# KiCad board frothfet.kicad_pcb (continued)
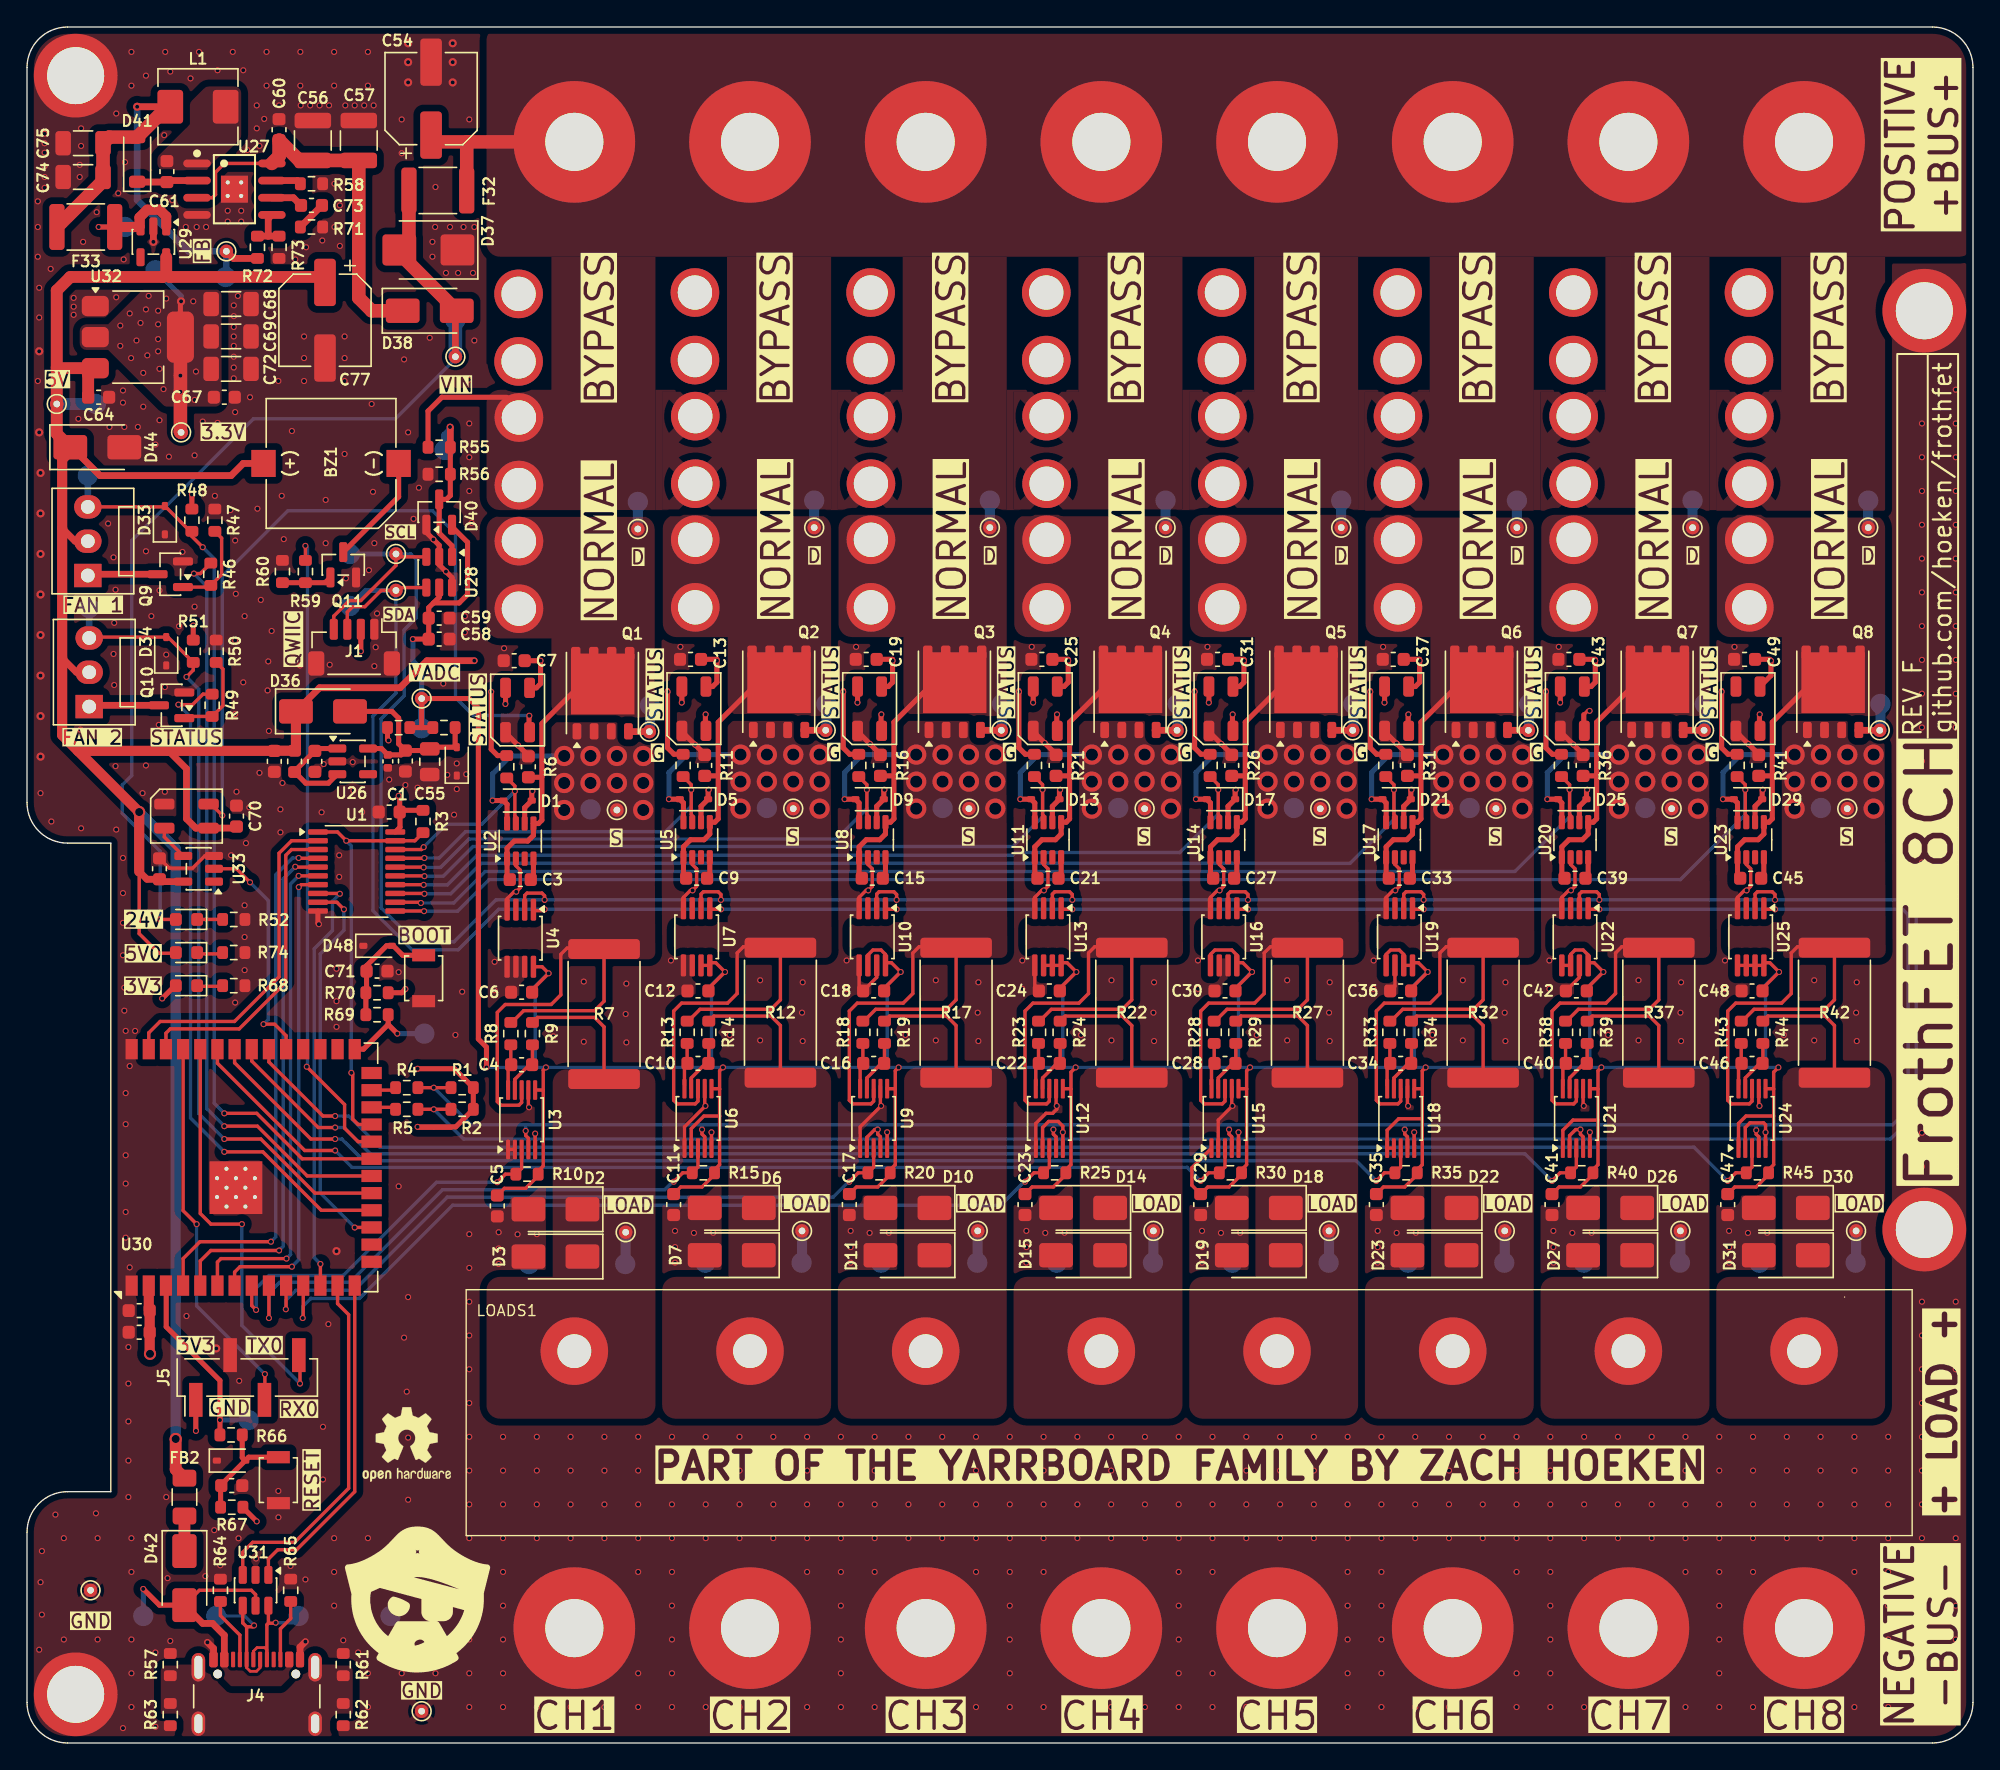
[diagram p0: board, top side]
## Routing (per net, layer and track width the routed paths; a pad name or vN(x,y) marks a point on that pad's centre or on a via; arc(x,y) is an arc through that point) (continued)
  Bottom w0.75: TP78.1 TP32.1
/ESP32-S3/CC1_1: length 4.9
  Top w0.25: R64.1 14.31,9.42 15.75,7.99 J4.A5
/ESP32-S3/CC2_1: length 4.6
  Top w0.25: R65.1 19.51,9.21 18.75,8.45 J4.B5
/ESP32-S3/EN: length 14.8
  Top w0.375: 10.3,33.83 10.3,30.8 14.28,26.82 v1(14.28,23.9) 14.28,22.8
  Bottom w0.375: TP45.1 v1(14.28,23.9)
/ESP32-S3/ESP_RXD0: length 31.2
  Top w0.25: v1(20.2,26.6) 20.2,28.61 ; U30.36 12.82,39.19 13.61,38.4 v1(15.9,38.4)
  Bottom w0.25: v1(20.2,26.6) 15.9,30.9 v1(15.9,38.4)
/ESP32-S3/ESP_TXD0: length 28.4
  Top w0.25: U30.37 11.55,39.4 v1(12.55,38.4) ; v1(17.6,27.3) 17.6,25.43
  Bottom w0.25: v1(17.6,27.3) 12.55,32.35 v1(12.55,38.4)
/ESP32-S3/ESP_USB+: length 24.9
  Top w0.25: U31.1 17.86,13.61 18.55,14.3 19.95,14.3 24.25,18.6 U30.14
/ESP32-S3/ESP_USB-: length 26.8
  Top w0.25: U31.3 15.96,14.11 16.7,14.85 19.8,14.85 23.8,18.85 23.8,31.7 22.98,32.52 U30.13
/ESP32-S3/GPIO0_BOOT: length 6.9
  Top w0.375: 26.72,53.9 26.72,53.17 ; 26.72,53.17 24.9,51.35 U30.27 ; 26.72,53.17 v1(27.4,52.5)
  Bottom w0.375: v1(27.4,52.5) TP48.1
/ESP32-S3/GPIO1: length 25
  Top w0.25: U30.39 9.01,52.56 9.85,53.4 15.35,53.4 18.65,56.7 18.65,65.85 19.58,66.78 U1.2
/ESP32-S3/GPIO2: length 23.6
  Top w0.25: U30.38 10.28,52.53 10.6,52.85 15.7,52.85 19.15,56.3 19.15,65.7 19.58,66.12 U1.3
/ESP32-S3/GPIO4: length 40
  Top w0.25: v1(18.05,37.1) 12.8,37.1 11.55,35.85 U30.4 ; U1.4 20.12,65.47 v1(20.1,65.5)
  Bottom w0.25: v1(20.1,65.5) 19.65,65.5 18.4,64.25 18.4,37.45 v1(18.05,37.1)
/ESP32-S3/GPIO5: length 38.6
  Top w0.25: v1(19.85,64.85) 19.88,64.83 U1.5 ; v1(18.65,36.45) 13.6,36.45 12.82,35.67 U30.5
  Bottom w0.25: v1(18.65,36.45) 18.95,36.75 18.95,63.95 v1(19.85,64.85)
/ESP32-S3/GPIO6: length 37.1
  Top w0.25: U1.6 v1(20.1,64.17) ; v1(19.2,35.85) 14.35,35.85 14.09,35.59 U30.6
  Bottom w0.25: v1(19.2,35.85) 19.5,36.15 19.5,63.58 v1(20.1,64.17)
/ESP32-S3/GPIO7: length 35.2
  Top w0.25: U30.7 15.36,34.85 15.76,35.25 v1(19.6,35.25) ; v1(20.11,63.34) 20.29,63.53 U1.7
  Bottom w0.25: v1(20.11,63.34) 20.11,35.76 v1(19.6,35.25)
/ESP32-S3/GPIO8: length 31.6
  Top w0.25: U30.12 v1(21.71,35.45) ; v1(23.15,62.85) 23.12,62.88 U1.8
  Bottom w0.25: v1(23.15,62.85) 22.6,62.3 22.6,60.12 21.25,58.78 21.25,35.91 v1(21.71,35.45)
/ESP32-S3/GPIO9: length 28.7
  Top w0.25: U30.17 24.25,38.16 v1(24.25,38.15) ; U1.9 22.92,62.22 v1(23.45,61.7)
  Bottom w0.25: v1(23.45,61.7) 23.45,60.15 21.7,58.4 21.7,40.7 v1(24.25,38.15)
/ESP32-S3/GPIO21: length 30.7
  Top w0.25: v1(24,49.6) 24.1,49.5 24.1,46.17 24.5,45.78 25.5,45.78 ; R3.2 28.7,66.78 U1.19 v1(23.62,66.78) 22.97,67.42 U1.1
  Bottom w0.25: v1(23.62,66.78) 24,66.4 v1(24,49.6)
/ESP32-S3/GPIO38: length 17.3
  Top w0.25: U30.31 19.17,52.35 18.32,53.2 v1(17.5,53.2) ; v1(16.5,63.7) 15.5,64.7 U33.2
  Bottom w0.25: v1(16.5,63.7) 17.85,62.35 17.85,53.55 v1(17.5,53.2)
/ESP32-S3/GPIO47: length 1.6
  Top w0.25: U30.24 27.13,47.05
/ESP32-S3/GPIO48: length 1.6
  Top w0.25: U30.25 27.09,48.31
/ESP32-S3/USB_D+: length 9
  Top w0.2: J4.B6 17.75,6.89 17.58,7.06 17.02,7.06 16.75,6.79 J4.A6
  Top w0.25: J4.B6 17.75,8.75 17.86,8.86 ; 17.86,8.86 18.36,8.86 v1(18.4,8.9) ; 17.86,8.86 U31.6
  Bottom w0.25: v1(18.4,8.9) 19.6,8.9 TP43.1
/ESP32-S3/USB_D-: length 9.7
  Top w0.2: J4.B7 16.25,5.57 16.52,5.3 16.98,5.3 17.25,5.57 J4.A7
  Top w0.25: v1(16.8,8.7) 16.7,8.6 16.25,8.6 ; 16.25,8.6 15.96,8.89 U31.4 ; 16.25,8.6 16.25,6.67
  Bottom w0.25: TP44.1 16.1,9.4 v1(16.8,8.7)
ALERT1: length 28.3
  Top w0.25: U3.3 36.6,42.53 R10.1 35.4,42.1 v1(34.8,41.5) ; U30.8 16.63,32.37 v1(16.95,32.05)
  Bottom w0.25: v1(16.95,32.05) 16.95,33.65 17.9,34.6 23.4,34.6 30.3,41.5 v1(34.8,41.5)
ALERT2: length 41.3
  Top w0.25: v1(47.86,41.54) 48.52,42.2 R15.1 49.65,42.62 U6.3 ; U30.9 v1(17.9,31.45)
  Bottom w0.25: v1(47.86,41.54) 47.85,41.55 47.8,41.55 47.2,40.95 30.75,40.95 23.9,34.1 18.7,34.1 17.9,33.3 v1(17.9,31.45)
ALERT3: length 51.4
  Top w0.25: U30.10 19.17,32.12 v1(19.15,32.1) ; U9.3 62.65,42.62 R20.1 61.51,42.2 v1(60.85,41.54)
  Bottom w0.25: v1(60.85,41.54) 60.84,41.55 60.8,41.55 59.65,40.4 31.1,40.4 24.2,33.5 19.9,33.5 19.15,32.75 v1(19.15,32.1)
ALERT4: length 64.2
  Top w0.25: U12.3 75.65,42.62 75.22,42.2 74.51,42.2 v1(73.85,41.54) ; U30.11 20.44,31.49 v1(20.4,31.45)
  Bottom w0.25: v1(73.85,41.54) 73.84,41.55 73.8,41.55 72.05,39.8 31.5,39.8 24.6,32.9 21,32.9 20.4,32.3 v1(20.4,31.45)
ALERT5: length 81
  Top w0.25: U15.3 88.65,42.62 88.22,42.2 87.45,42.2 v1(86.85,41.6) ; U30.35 14.09,50.31 20.55,43.85 v1(22.8,43.85)
  Bottom w0.25: v1(86.85,41.6) 85.85,42.6 24.05,42.6 v1(22.8,43.85)
ALERT6: length 92.7
  Top w0.25: U18.3 101.65,42.62 101.22,42.2 100.45,42.2 v1(99.85,41.6) ; U30.34 15.36,50.34 21,44.7 v1(22.8,44.7)
  Bottom w0.25: v1(99.85,41.6) 98.35,43.1 24.9,43.1 23.3,44.7 v1(22.8,44.7)
ALERT7: length 104.4
  Top w0.25: v1(112.85,41.6) 113.45,42.2 114.22,42.2 114.65,42.62 U21.3 ; U30.33 16.63,50.47 21.55,45.55 v1(22.8,45.55)
  Bottom w0.25: v1(112.85,41.6) 110.85,43.6 25.4,43.6 23.45,45.55 v1(22.8,45.55)
ALERT8: length 116.2
  Top w0.25: v1(125.85,41.6) 126.45,42.2 127.22,42.2 127.65,42.62 U24.3 ; v1(22.8,46.4) 21.9,46.4 17.9,50.4 U30.32
  Bottom w0.25: v1(125.85,41.6) 123.35,44.1 26.1,44.1 23.8,46.4 v1(22.8,46.4)
CHANNEL_LEDS: length 58.2
  Top w0.25: 13.61,69.49 v1(14.45,68.65) ; 37.15,76.01 v1(37.17,76.03)
  Top w0.375: 37.15,74.82 37.15,76.01
  Bottom w0.25: v1(14.45,68.65) 14.45,86.35 19.3,91.2 30,91.2 31.7,89.5 31.7,77.38 33.03,76.05 37.15,76.05 v1(37.17,76.03)
FAN_MOSFET1: length 55.8
  Top w0.25: v1(12.35,86.55) 12.83,86.55 R46.2 ; U30.20 20.73,41.97 17.05,45.65 v1(14.6,45.65)
  Bottom w0.25: v1(14.6,45.65) 13.3,46.95 13.3,85.6 v1(12.35,86.55)
FAN_MOSFET2: length 50
  Top w0.25: R49.2 13.03,77.62 12.25,76.85 v1(11.2,76.85) ; U30.18 21.78,39.42 17.45,43.75 v1(14.6,43.75)
  Bottom w0.25: v1(11.2,76.85) 12.1,75.95 12.1,46.25 v1(14.6,43.75)
FAN_TACH1: length 67
  Top w0.25: 12.08,89.67 D33.2 ; M1.3 10.13,91.48 ; v1(13,88.5) 12.2,89.3 R48.1 ; U30.21 20.36,43.23 17,46.6 v1(14.6,46.6)
  Bottom w0.25: v1(13,88.5) 13.85,87.65 13.85,47.35 v1(14.6,46.6)
  Bottom w0.5: TP89.1 M1.3
FAN_TACH2: length 59.8
  Top w0.25: U30.19 21.31,40.69 17.3,44.7 v1(14.6,44.7) ; v1(11.8,78.9) 12.3,79.4 R51.1 10.42,81.85 D34.2 4.66,81.85
  Bottom w0.25: v1(11.8,78.9) 12.7,78 12.7,46.6 v1(14.6,44.7)
  Bottom w0.5: TP90.1 M2.3
LOAD1: length 11.9
  Top w0.25: R9.2 37.78,53.7 42,53.7 42.7,53 R7.2
  Bottom w0.75: TP6.1 44.3,35.48
LOAD2: length 11.9
  Top w0.25: R14.2 50.83,53.8 55.05,53.8 55.75,53.1 R12.2
  Bottom w0.75: TP10.1 57.35,35.58
LOAD3: length 11.9
  Top w0.25: R17.2 68.75,53.1 68.05,53.8 63.83,53.8 R19.2
  Bottom w0.75: TP14.1 70.35,35.58
LOAD4: length 11.9
  Top w0.25: R24.2 76.82,53.8 81.05,53.8 81.75,53.1 R22.2
  Bottom w0.75: TP18.1 83.35,35.58
LOAD5: length 11.9
  Top w0.25: R27.2 94.75,53.1 94.05,53.8 89.82,53.8 R29.2
  Bottom w0.75: TP22.1 96.35,35.58
LOAD6: length 11.9
  Top w0.25: R32.2 107.75,53.1 107.05,53.8 102.82,53.8 R34.2
  Bottom w0.75: TP26.1 109.35,35.58
LOAD7: length 11.9
  Top w0.25: R37.2 120.75,53.1 120.05,53.8 115.82,53.8 R39.2
  Bottom w0.75: TP30.1 122.35,35.58
LOAD8: length 11.9
  Top w0.25: R42.2 133.75,53.1 133.05,53.8 128.82,53.8 R44.2
  Bottom w0.75: TP34.1 135.35,35.58
PIEZO: length 47.8
  Top w0.25: v1(20.7,50.05) 23.5,47.25 23.5,45.5 24.5,44.5 U30.22 ; R59.2 v1(20.6,88.6)
  Bottom w0.25: v1(20.7,50.05) 20.75,50.1 20.75,88.45 v1(20.6,88.6)
PWM1: length 13.8
  Top w0.25: v1(29.35,66.3) 29.17,66.12 U1.18 ; 36.17,68.55 36.1,68.62 v1(36.1,70.45) 36.1,70.83 R6.1
  Bottom w0.25: v1(36.1,70.45) 33.65,68 31.05,68 v1(29.35,66.3)
PWM2: length 27.9
  Top w0.25: R11.1 49.15,70.92 v1(49.15,70.55) 49.15,68.72 49.22,68.65 ; U1.17 29.38,65.47 v1(29.4,65.5)
  Bottom w0.25: v1(49.15,70.55) 49.15,69.35 47.25,67.45 32.45,67.45 30.5,65.5 v1(29.4,65.5)
PWM3: length 41.3
  Top w0.25: R16.1 62.15,70.92 v1(62.15,70.55) 62.15,68.72 62.22,68.65 ; U1.16 29.33,64.83 v1(29.35,64.8)
  Bottom w0.25: v1(62.15,70.55) 62.15,69.15 59.9,66.9 32.7,66.9 30.6,64.8 v1(29.35,64.8)
PWM4: length 54.9
  Top w0.25: v1(29.41,64.16) 29.39,64.17 U1.15 ; R21.1 75.15,70.92 v1(75.15,70.55) 75.15,68.72 75.22,68.65
  Bottom w0.25: v1(29.41,64.16) 30.81,64.16 33,66.35 72.95,66.35 75.15,68.55 v1(75.15,70.55)
PWM5: length 68
  Top w0.25: 88.22,68.65 88.15,68.72 v1(88.15,70.55) 88.15,70.92 R26.1 ; v1(29.35,63.51) 29.35,63.51 29.33,63.53 U1.14
  Bottom w0.25: v1(29.35,63.51) 31.11,63.51 33.3,65.7 72.94,65.7 73.14,65.9 85.3,65.9 88.15,68.75 v1(88.15,70.55)
PWM6: length 81.5
  Top w0.25: 101.22,68.65 101.15,68.72 v1(101.15,70.55) 101.15,70.92 R31.1 ; v1(29.4,62.85) 29.38,62.88 U1.13
  Bottom w0.25: v1(101.15,70.55) 101.15,68.35 97.9,65.1 33.6,65.1 31.35,62.85 v1(29.4,62.85)
PWM7: length 94.7
  Top w0.25: v1(29.15,62.17) 29.09,62.22 U1.12 ; 114.22,68.65 114.15,68.72 v1(114.15,70.55) 114.15,70.92 R36.1
  Bottom w0.25: v1(114.15,70.55) 114.15,68.55 110.1,64.5 33.9,64.5 31.57,62.17 v1(29.15,62.17)
PWM8: length 107.9
  Top w0.25: U1.11 29.37,61.58 v1(29.38,61.56) 29.38,61.56 29.38,61.58 ; R41.1 127.15,70.92 v1(127.15,70.55) 127.15,68.72 127.22,68.65
  Bottom w0.25: v1(127.15,70.55) 127.12,70.53 127.12,68.67 122.35,63.9 34.2,63.9 31.86,61.56 v1(29.38,61.56)
SCL: length 329.1
  Top w0.25: v1(128.65,45.2) 128.65,45.75 128.5,45.9 127.5,45.9 127.15,45.55 U24.2 ; v1(77.35,62.4) 77.35,62.8 77.15,63 76.05,63 75.88,62.83 75.88,62.01 ; 36.83,61.91 36.83,62.72 37,62.9 38.1,62.9 38.3,62.7 38.3,62.3 ; v1(51.35,62.4) 51.35,62.8 51.15,63 50.05,63 49.88,62.83 49.88,62.01 ; v1(103.35,62.4) 103.35,62.8 103.15,63 102.05,63 101.88,62.83 101.88,62.01 ; R4.2 v1(30.1,46.9) R2.1 ; TP1.1 27.3,87.15 24.7,84.55 23.85,84.55 22.7,83.4 J1.4 ; 114.88,62.01 114.88,62.83 115.05,63 116.15,63 116.35,62.8 v1(116.35,62.4) ; v1(129.35,62.4) 129.35,62.8 129.15,63 128.05,63 127.88,62.83 127.88,62.01 ; 62.88,62.01 62.88,62.83 63.05,63 64.15,63 64.35,62.8 v1(64.35,62.4) ; 88.88,62.01 88.88,62.83 89.05,63 90.15,63 90.35,62.8 v1(90.35,62.4) ; 89.65,45.25 89.65,44.22 ; 102.65,45.25 102.65,44.22 ; v1(76.65,45.2) 76.65,45.65 76.3,46 75.6,46 75.15,45.55 U12.2 ; U28.3 27.51,87.79 ; 115.65,45.25 115.65,44.22 ; 76.65,45.25 76.65,44.22 ; 50.65,45.25 50.65,44.22 ; 63.65,45.25 63.65,44.22 ; 128.65,45.25 128.65,44.22 ; 37.6,45.15 37.6,44.12
  Bottom w0.25: 37.6,45.15 37.6,44.7 ; 37.6,44.7 32.3,44.7 v1(30.1,46.9) ; 37.6,44.7 137.9,44.7 139.8,46.6 139.8,61.5 138.9,62.4 v1(129.35,62.4) v1(116.35,62.4) v1(103.35,62.4) v1(90.35,62.4) v1(77.35,62.4) v1(64.35,62.4) v1(51.35,62.4) 34.7,62.4 31.6,59.3 28.7,59.3 26.2,61.8 26.2,75.8 27.9,77.5 27.9,82.38 28.8,83.28 28.8,87.6 28.4,88 TP1.1 ; 76.65,45.25 76.65,44.8 ; 115.65,45.25 115.65,44.8 ; 50.65,45.25 50.65,44.8 ; 89.65,45.25 89.65,44.8 ; 63.65,45.25 63.65,44.8 ; 102.65,45.25 102.65,44.8 ; 128.65,45.25 128.65,44.8
  Bottom w0.375: TP1.1 TP97.1
  vias: v1(37.6,45.1) v1(38.3,62.4) v1(50.65,45.2) v1(63.65,45.2) v1(89.65,45.2) v1(102.65,45.2) v1(115.65,45.2)
SDA: length 304.5
  Top w0.25: v1(88.95,45.4) 88.95,45.06 89.15,44.86 U15.4 ; U9.4 63.15,44.86 62.95,45.06 v1(62.95,45.4) 62.73,45.4 62.15,44.82 U9.2 ; v1(75.95,45.4) 75.95,45.06 76.15,44.86 U12.4 ; v1(127.96,45.35) 127.96,45.05 128.15,44.86 U24.4 ; 76.53,61.7 v1(77.35,61.7) ; v1(49.95,45.4) 49.95,45.06 50.15,44.86 U6.4 ; U18.4 102.15,44.86 101.95,45.06 v1(101.95,45.4) ; 128.53,61.7 v1(129.35,61.7) ; J1.3 23.7,83.7 24.1,84.1 25,84.1 26.2,85.3 TP2.1 ; R5.1 v1(30.1,48.5) R1.1 ; 37.47,61.6 38.3,61.6 ; U3.4 37.1,44.76 36.9,44.96 v1(36.9,45.3) ; 89.53,61.7 v1(90.35,61.7) ; 115.53,61.7 v1(116.35,61.7) ; 50.53,61.7 v1(51.35,61.7) ; U21.4 115.15,44.86 114.95,45.06 v1(114.95,45.4) 114.6,45.4 114.15,44.95 U21.2 ; U28.4 27.51,85.51 ; 102.53,61.7 v1(103.35,61.7) ; 63.53,61.7 v1(64.35,61.7)
  Bottom w0.25: v1(36.9,45.3) 36.9,45.75 ; 36.9,45.75 32.85,45.75 v1(30.1,48.5) ; 36.9,45.75 138.05,45.75 139.2,46.9 139.2,61.3 138.8,61.7 v1(129.35,61.7) v1(116.35,61.7) v1(103.35,61.7) v1(90.35,61.7) v1(77.35,61.7) v1(64.35,61.7) v1(51.35,61.7) 34.9,61.7 31.9,58.7 28.5,58.7 25.6,61.6 25.6,76 27.3,77.7 TP2.1 ; v1(114.95,45.4) 114.95,45.75 ; 127.96,45.74 v1(127.96,45.35) ; v1(88.95,45.4) 88.95,45.75 ; v1(49.95,45.4) 49.95,45.75 ; v1(75.95,45.4) 75.95,45.75 ; v1(101.95,45.4) 101.95,45.75 ; v1(62.95,45.4) 62.95,45.7
  Bottom w0.375: TP2.1 25.05,85.3 TP98.1
  vias: v1(38.3,61.7)
Net-(BZ1--): length 8.3
  Top w0.375: BZ1.2 27.5,92.24 Q11.3
Net-(C73-Pad1): length 2.3
  Top w0.5: R71.1 C73.1
Net-(D1-K): length 18.5
  Top w0.375: U2.6 36.83,69.22 D1.1 37.35,70.4 v1(37.4,70.45)
  Top w0.5: 44.43,74.85 TP3.1
  In2.Cu w0.5: v1(37.4,70.45) 37.4,73.6 38.65,74.85 TP3.1
  Bottom w0.75: TP49.1 46.1,74.9
Net-(D5-K): length 18.5
  Top w0.375: U5.6 49.88,69.33 D5.1 50.4,70.5 v1(50.45,70.55)
  Top w0.5: 57.48,74.95 TP7.1
  In2.Cu w0.5: v1(50.45,70.55) 50.45,73.7 51.7,74.95 TP7.1
  Bottom w0.75: TP53.1 59.15,75
Net-(D9-K): length 18.5
  Top w0.375: v1(63.45,70.55) 63.4,70.5 D9.1 62.88,69.33 U8.6
  Top w0.5: 70.48,74.95 TP11.1
  In2.Cu w0.5: TP11.1 64.7,74.95 63.45,73.7 v1(63.45,70.55)
  Bottom w0.75: TP57.1 72.15,75
Net-(D13-K): length 18.5
  Top w0.375: v1(76.45,70.55) 76.4,70.5 D13.1 75.88,69.33 U11.6
  Top w0.5: 83.48,74.95 TP15.1
  In2.Cu w0.5: v1(76.45,70.55) 76.45,73.7 77.7,74.95 TP15.1
  Bottom w0.75: TP61.1 85.15,75
Net-(D17-K): length 18.5
  Top w0.375: U14.6 88.88,69.33 D17.1 89.4,70.5 v1(89.45,70.55)
  Top w0.5: 96.48,74.95 TP19.1
  In2.Cu w0.5: v1(89.45,70.55) 89.45,73.7 90.7,74.95 TP19.1
  Bottom w0.75: TP65.1 98.15,75
Net-(D21-K): length 18.5
  Top w0.375: U17.6 101.88,69.33 D21.1 102.4,70.5 v1(102.45,70.55)
  Top w0.5: 109.48,74.95 TP23.1
  In2.Cu w0.5: v1(102.45,70.55) 102.45,73.7 103.7,74.95 TP23.1
  Bottom w0.75: TP69.1 111.15,75
Net-(D25-K): length 18.5
  Top w0.375: U20.6 114.88,69.33 D25.1 115.4,70.5 v1(115.45,70.55)
  Top w0.5: 122.48,74.95 TP27.1
  In2.Cu w0.5: TP27.1 116.7,74.95 115.45,73.7 v1(115.45,70.55)
  Bottom w0.75: TP73.1 124.15,75
Net-(D29-K): length 18.5
  Top w0.375: v1(128.45,70.55) 128.4,70.5 D29.1 127.88,69.33 U23.6
  Top w0.5: 135.48,74.95 TP31.1
  In2.Cu w0.5: v1(128.45,70.55) 128.45,73.7 129.7,74.95 TP31.1
  Bottom w0.75: TP77.1 137.15,75
Net-(D35-A): length 76.9
  Top w0.25: v1(9.85,60.95) D35.2
  Top w0.5: TP35.1 31.7,105.9
  Top w1: F32.1 28.26,111.21 D37.2 ; 27.55,110.25 D38.2
  Bottom w0.25: v1(9.85,60.95) 9.85,66 7.05,68.8 7.05,70.9 7.75,71.6 7.75,89 16.75,98 27.25,98 31.7,102.45
  Bottom w1: TP91.1 TP35.1
Net-(D35-K): length 1.9
  Top w0.25: R52.1 D35.1
Net-(D36-A): length 14.6
  Top w0.375: 29.92,73.7 D39.2 31.68,73.82 R53.1 ; C53.1 27.5,73.95 27.5,75.85 27,76.35 D36.2 ; C53.1 29.67,73.45 ; C53.1 27.68,73.13 C52.1 26.23,73.6 U26.5
Net-(D38-K): length 29.8
  Top w0.25: U27.8 14.6,116.91 13.95,116.25 13.95,114.6 13.72,114.37 U27.3
  Top w1: D38.1 25.5,106 24.55,106.95 C57.1 C56.1 20.15,117.12 C60.1 18.65,117.44 U27.8
Net-(D40-COM): length 12.5
  Top w0.375: U28.1 31.45,88.6 30.5,89.55 D40.3 31.04,92.04 31.33,92.33 R56.2 R55.1
  Top w0.5: v1(31.3,97.4) 31.33,97.38 R55.1
  Bottom w0.5: TP94.1 30.9,96.8 31.3,97.2 v1(31.3,97.4)
Net-(D41-A): length 35.1
  Top w0.5: TP37.1 15.28,109.88 R72.1 ; L1.2 v3(8.15,121.1)
  Top w1: C74.1 C75.1 6.08,118.85 D41.2 10.4,121.1 ; 5.62,115.61 F33.2
  Bottom w0.5: v3(8.15,121.1) 8.15,114.2 11.95,110.4 TP37.1 14.75,108.55
Net-(D41-K): length 4.3
  Top w0.5: U27.2 10.46,115.63 ; C61.1 8.17,115.53
Net-(D42-K): length 2.6
  Top w0.875: D42.1 FB2.1
Net-(D43-K): length 1.8
  Top w0.25: 14.47,58.4 12.64,58.4
Net-(D45-A2): length 8.6
  Top w0.375: SW1.1 16.4,21.15 D45.2 ; 14.38,19.12 D45.2 ; D45.2 15.92,21.12 R66.1 ; R67.2 14.33,19
Net-(D46-K): length 1.9
  Top w0.25: 14.47,56 12.59,56
Net-(D47-DIN): length 2.6
  Top w0.25: D47.4 10.16,67.05 U33.4
Net-(D48-A2): length 8.6
  Top w0.375: D48.2 26.6,59 25.12,57.53 C71.2 25.12,55.58 ; SW2.1 27.8,58.3 27.1,59 ; R70.1 R69.1
Net-(M1--): length 5.1
  Top w0.5: Q9.3 4.59,86.5
Net-(M2--): length 5.1
  Top w0.5: Q10.3 4.7,76.8
Net-(Q9-G): length 6.5
  Top w0.25: R47.1 14.4,89.17 14.4,86.48 R46.1 ; Q9.1 13.47,85.55
Net-(Q10-G): length 6.5
  Top w0.25: 11.76,75.97 R49.1 14.5,76.78 14.5,79.47 R50.1
Net-(Q11-G): length 3.7
  Top w0.375: Q11.1 22.06,85.88 R59.1 R60.1
Net-(U2-VCAP): length 1.4
  Top w0.375: U2.4 37.47,64.05
Net-(U3-Vin+): length 3
  Top w0.25: 35.8,51.88 35.8,50.42 ; 35.6,48.6 35.6,50.17
Net-(U3-Vin-): length 3.9
  Top w0.25: 37.4,51.88 37.4,50.42 ; 37.24,50.26 36.1,49.12 U3.9
Net-(U5-VCAP): length 1.4
  Top w0.375: U5.4 50.53,64.15
Net-(U6-Vin+): length 3
  Top w0.25: 48.65,48.7 48.65,50.28 ; 48.85,51.97 48.85,50.53
Net-(U6-Vin-): length 3.8
  Top w0.25: 50.45,51.97 50.45,50.53 ; 50.23,50.3 49.15,49.22 U6.9
Net-(U8-VCAP): length 1.4
  Top w0.375: U8.4 63.53,64.15
Net-(U9-Vin+): length 3
  Top w0.25: 61.85,51.97 61.85,50.53 ; 61.65,48.7 61.65,50.28
Net-(U9-Vin-): length 3.8
  Top w0.25: U9.9 62.15,49.22 63.23,50.3 ; 63.45,51.97 63.45,50.53
Net-(U11-VCAP): length 1.4
  Top w0.375: U11.4 76.53,64.15
Net-(U12-Vin+): length 3
  Top w0.25: 74.65,48.7 74.65,50.28 ; 74.85,51.97 74.85,50.53
Net-(U12-Vin-): length 3.8
  Top w0.25: 76.45,51.97 76.45,50.53 ; 76.23,50.3 75.15,49.22 U12.9
Net-(U14-VCAP): length 1.4
  Top w0.375: U14.4 89.53,64.15
Net-(U15-Vin+): length 3
  Top w0.25: 87.85,51.97 87.85,50.53 ; 87.65,48.7 87.65,50.28
Net-(U15-Vin-): length 3.8
  Top w0.25: U15.9 88.15,49.22 89.23,50.3 ; 89.45,51.97 89.45,50.53
Net-(U17-VCAP): length 1.4
  Top w0.375: U17.4 102.53,64.15
Net-(U18-Vin+): length 3
  Top w0.25: 100.85,51.97 100.85,50.53 ; 100.65,48.7 100.65,50.28
Net-(U18-Vin-): length 3.8
  Top w0.25: 102.45,51.97 102.45,50.53 ; U18.9 101.15,49.22 102.23,50.3
Net-(U20-VCAP): length 1.4
  Top w0.375: U20.4 115.53,64.15
Net-(U21-Vin+): length 3
  Top w0.25: 113.65,48.7 113.65,50.28 ; 113.85,51.97 113.85,50.53
Net-(U21-Vin-): length 3.8
  Top w0.25: 115.23,50.3 114.15,49.22 U21.9 ; 115.45,51.97 115.45,50.53
Net-(U23-VCAP): length 1.4
  Top w0.375: U23.4 128.53,64.15
Net-(U24-Vin+): length 3
  Top w0.25: 126.85,51.97 126.85,50.53 ; 126.65,48.7 126.65,50.28
Net-(U24-Vin-): length 3.8
  Top w0.25: U24.9 127.15,49.22 128.23,50.3 ; 128.45,51.97 128.45,50.53
Net-(U26-EN): length 7.4
  Top w0.375: U26.3 22.3,71.04 20.63,71.04 FB1.2 ; U26.1 21.47,73.6 ; 19.8,71.92 21.3,73.42
Net-(U27-COMP): length 2.4
  Top w0.5: U27.6 19.71,114.37 20.28,113.8
Net-(U27-FB): length 3.3
  Top w0.5: 17.85,111.53 17.85,112.83 U27.5 ; 17.85,111.53 17.05,111.53 ; 17.85,111.53 18.65,111.53
Net-(U27-RLIM): length 2.2
  Top w0.5: R58.1 19.99,115.63 U27.7
Net-(U29-EN): length 8.8
  Top w0.375: F33.1 v1(5.3,112.2)
  Top w0.75: F33.1 8.29,112.2 8.32,112.24 8.32,112.9 8.9,113.48 9.8,113.48 10.3,112.98 U29.1
  Bottom w0.375: v1(5.3,112.2) TP38.1

## Copper pours and planes (outline as drawn; the poured copper is in the pictures)
+3.3V on Top: 14.4,107.6 8.6,107.6 6,105 4.2,105 3.9,104.7 3.9,103.4 4.2,103.1 6,103.1 10.2,98.9 14.4,98.9
+3.3V on In2.Cu: 30.3,107.6 30.3,43.3 19.8,43.3 19.8,15.9 -2.4,15.9 -2.4,107.6
+24V on Top: 34,100.15 137.5,100.15 137.5,91.1 137.5,91.25 34,91.25
+24V on Top: 46.5,110.9 38.8,110.9 38.8,100.15 34,100.15 34,91.25 46.5,91.25
+24V on Top: 124.5,110.9 116.8,110.9 116.8,100 112,100 112,91.2 124.5,91.2
+24V on Top: 59.5,110.9 51.8,110.9 51.8,100 47,100 47,91.3 59.5,91.3
+24V on Top: 72.5,110.9 64.8,110.9 64.8,100 60,100 60,91.3 72.5,91.3
+24V on Top: 98.5,110.9 90.8,110.9 90.8,100 86,100 86,91.3 98.5,91.3
+24V on Top: 85.5,110.9 77.8,110.9 77.8,100 73,100 73,91.3 85.5,91.3
+24V on Top: 137.5,110.9 129.8,110.9 129.8,100 125,100 125,91.2 137.5,91.2
+24V on Top: 111.5,110.9 103.8,110.9 103.8,100 99,100 99,91.2 111.5,91.2
+24V on Top, Bottom: 34,127 34,110 144.75,110 144.75,127
/ESP32-S3/VBUS on Top: 14.3,6.3 19.7,6.3 19.7,5.1 18.8,4.2 15.1,4.2 14.3,5
GND on Top, Bottom, In1.Cu, In2.Cu: -7,131 152,131 153,130 153,-6 -7,-6
/CHANNEL 1/LOAD_SWITCHED on Top: 38.8,75.55 38.8,60.65 34.8,60.65 34.8,58.45 38.9,58.45 38.9,58 46.49,58 46.41,75.55
/CHANNEL 1/LOAD_SWITCHED on Bottom: 34.02,109.47 46.5,109.47 46.5,68.08 38.8,68.08 38.8,100.25 34.01,100.25
/CHANNEL 1/LOAD_VSS on Top: 46.45,90.8 34,90.8 34,81.75 38.8,81.75 38.8,75.9 46.45,75.9
/CHANNEL 2/LOAD_SWITCHED on Top: 51.85,75.65 51.85,60.75 47.85,60.75 47.85,58.55 51.95,58.55 51.95,58.1 59.54,58.1 59.46,75.65
/CHANNEL 2/LOAD_SWITCHED on Bottom: 47.07,109.58 59.55,109.58 59.55,68.17 51.85,68.17 51.85,100.35 47.06,100.35
/CHANNEL 2/LOAD_VSS on Top: 59.5,90.9 47.05,90.9 47.05,81.85 51.85,81.85 51.85,76 59.5,76
/CHANNEL 3/LOAD_SWITCHED on Top: 64.85,75.65 64.85,60.75 60.85,60.75 60.85,58.55 64.95,58.55 64.95,58.1 72.54,58.1 72.46,75.65
/CHANNEL 3/LOAD_SWITCHED on Bottom: 60.07,109.58 72.55,109.58 72.55,68.17 64.85,68.17 64.85,100.35 60.06,100.35
/CHANNEL 3/LOAD_VSS on Top: 72.5,90.9 60.05,90.9 60.05,81.85 64.85,81.85 64.85,76 72.5,76
/CHANNEL 4/LOAD_SWITCHED on Top: 77.85,75.65 77.85,60.75 73.85,60.75 73.85,58.55 77.95,58.55 77.95,58.1 85.54,58.1 85.46,75.65
/CHANNEL 4/LOAD_SWITCHED on Bottom: 73.07,109.58 85.55,109.58 85.55,68.17 77.85,68.17 77.85,100.35 73.06,100.35
/CHANNEL 4/LOAD_VSS on Top: 85.5,90.9 73.05,90.9 73.05,81.85 77.85,81.85 77.85,76 85.5,76
/CHANNEL 5/LOAD_SWITCHED on Top: 90.85,75.65 90.85,60.75 86.85,60.75 86.85,58.55 90.95,58.55 90.95,58.1 98.54,58.1 98.46,75.65
/CHANNEL 5/LOAD_SWITCHED on Bottom: 86.07,109.58 98.55,109.58 98.55,68.17 90.85,68.17 90.85,100.35 86.06,100.35
/CHANNEL 5/LOAD_VSS on Top: 98.5,90.9 86.05,90.9 86.05,81.85 90.85,81.85 90.85,76 98.5,76
/CHANNEL 6/LOAD_SWITCHED on Top: 103.85,75.65 103.85,60.75 99.85,60.75 99.85,58.55 103.95,58.55 103.95,58.1 111.54,58.1 111.46,75.65
/CHANNEL 6/LOAD_SWITCHED on Bottom: 99.07,109.58 111.55,109.58 111.55,68.17 103.85,68.17 103.85,100.35 99.06,100.35
/CHANNEL 6/LOAD_VSS on Top: 111.5,90.9 99.05,90.9 99.05,81.85 103.85,81.85 103.85,76 111.5,76
/CHANNEL 7/LOAD_SWITCHED on Top: 116.85,75.65 116.85,60.75 112.85,60.75 112.85,58.55 116.95,58.55 116.95,58.1 124.54,58.1 124.46,75.65
/CHANNEL 7/LOAD_SWITCHED on Bottom: 112.07,109.58 124.55,109.58 124.55,68.17 116.85,68.17 116.85,100.35 112.06,100.35
/CHANNEL 7/LOAD_VSS on Top: 124.5,90.9 112.05,90.9 112.05,81.85 116.85,81.85 116.85,76 124.5,76
/CHANNEL 8/LOAD_SWITCHED on Top: 129.85,75.65 129.85,60.75 125.85,60.75 125.85,58.55 129.95,58.55 129.95,58.1 137.54,58.1 137.46,75.65
/CHANNEL 8/LOAD_SWITCHED on Bottom: 125.07,109.58 137.55,109.58 137.55,68.17 129.85,68.17 129.85,100.35 125.06,100.35
/CHANNEL 8/LOAD_VSS on Top: 137.5,90.9 125.05,90.9 125.05,81.85 129.85,81.85 129.85,76 137.5,76
/Power Supply/SW on Top: 15.85,118.8 15.85,122.3 15.55,122.6 13.25,122.6 12.05,121.4 12.05,119.8 9.65,117.4 9.65,116.7 9.95,116.4 13.45,116.4
LOAD1 on Top: 38.9,49.85 38.9,34.5 34,34.5 34,24 46.5,24 46.5,49.85
LOAD2 on Top: 51.9,50 51.9,34.5 47,34.5 47,24 59.5,24 59.5,50
LOAD3 on Top: 64.9,50 64.9,34.5 60,34.5 60,24 72.5,24 72.5,50
LOAD4 on Top: 77.9,50 77.9,34.5 73,34.5 73,24 85.5,24 85.5,50
LOAD5 on Top: 90.9,50 90.9,34.5 86,34.5 86,24 98.5,24 98.5,50
LOAD6 on Top: 103.9,50 103.9,34.5 99,34.5 99,24 111.5,24 111.5,50
LOAD7 on Top: 116.9,50 116.9,34.5 112,34.5 112,24 124.5,24 124.5,50
LOAD8 on Top: 129.9,50 129.9,34.5 125,34.5 125,24 137.5,24 137.5,50
Net-(J4-SHIELD) on Top: 9.9,5.8 24.1,5.8 24.1,0.5 9.9,0.5

## Text on the board
F.Silkscreen: SDA | SCL | 5V | GND | FAN 2 | FAN 1 | 24V | 5V0 | 3V3 | STATUS | 3.3V | TX0 | RX0 | BOOT | VADC | VIN | S | LOAD | D | G | FB | QWIIC | RESET | REV F | github.com/hoeken/frothfet | CH1 | CH2 | CH3 | CH4 | CH5 | CH6 | CH7 | CH8 | NORMAL | BYPASS | NEGATIVE / -BUS- | POSITIVE / +BUS+ | PART OF THE YARRBOARD FAMILY BY ZACH HOEKEN | + LOAD + | FrothFET 8CH
